# Allegro board RK3588S_Template_LP4XD556P164SD10H2_33X33_2133MHz_H1R0_V10_20220315YWQ.brd (continued)
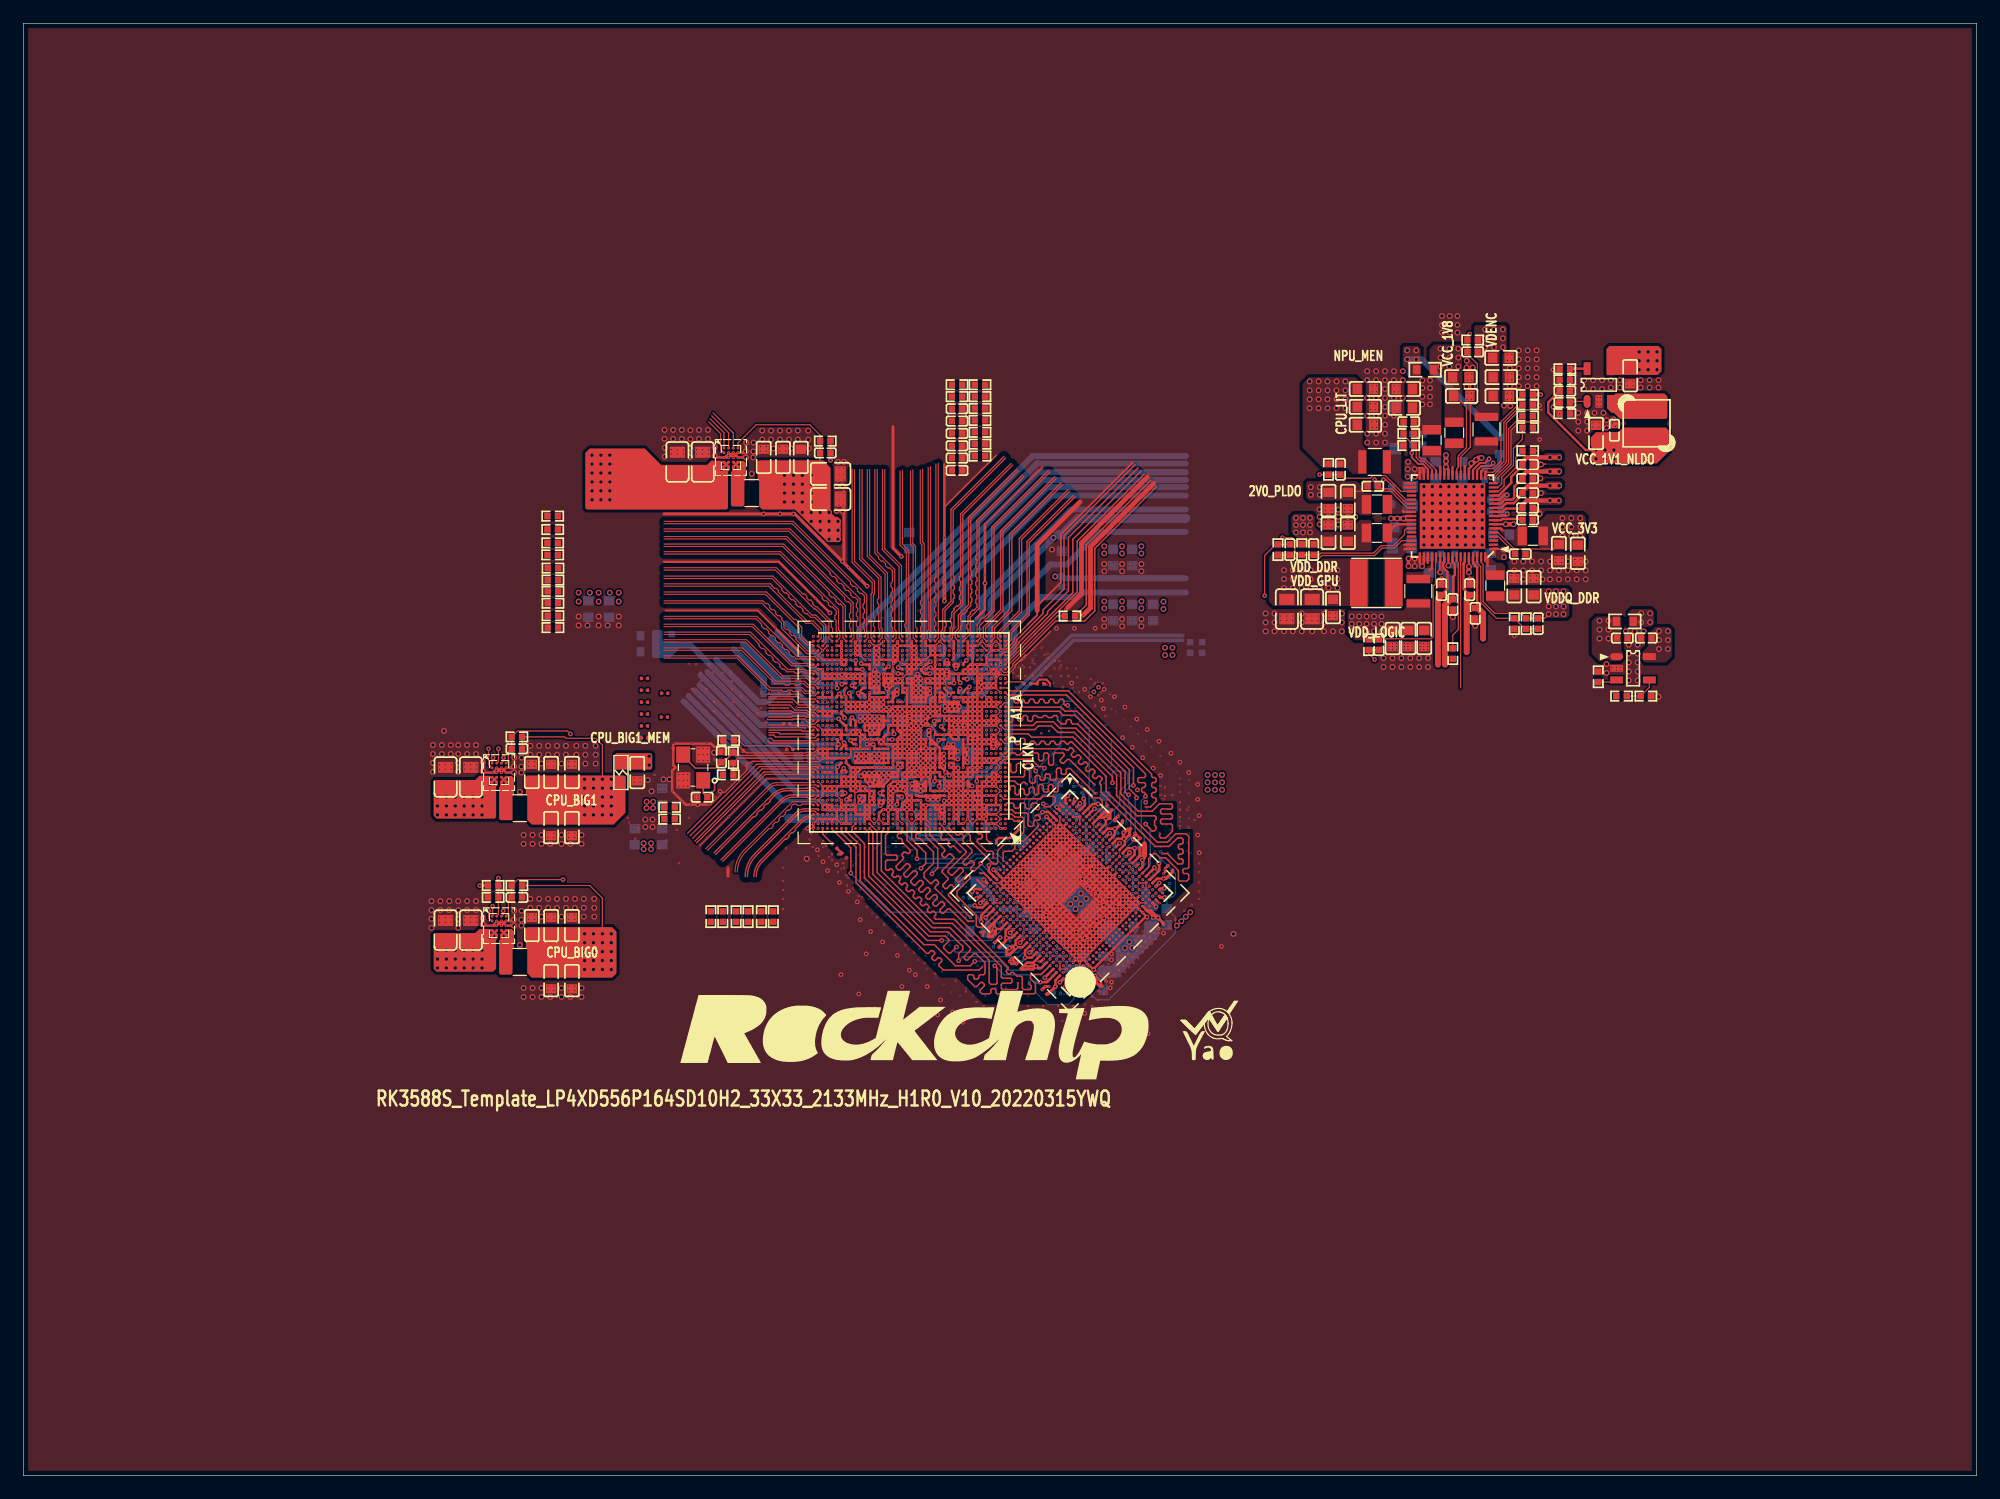
[diagram p0: board, top side]
## Routing (per net, layer and track width the routed paths; a pad name or vN(x,y) marks a point on that pad's centre or on a via; arc(x,y) is an arc through that point) (continued)
; v1(79.89,64.9) v1(79.89,64.5) ; v1(79.89,64.9) v1(80.29,64.9) ; v1(79.89,64.9) v1(79.49,64.9) ; v1(79.89,64.5) 79.89,64.28 v4(80.01,64.16) ; v1(79.89,64.5) v1(80.29,64.5) ; v1(79.89,64.5) v1(79.49,64.5) ; v7(71.09,70.5) v7(71.09,70.1) v1(71.49,70.1) v7(71.49,70.5) ; v7(71.09,70.5) v7(71.49,70.5) ; v7(70.29,56.9) 70.29,56.48 v1(70.29,56.48) 70.29,56.1 v7(70.29,56.1) v7(70.29,55.7) ; v7(70.29,56.9) v1(70.69,56.9) v1(71.09,56.9) ; v7(70.29,56.9) 69.93,56.9 ; v7(70.29,56.9) v1(70.29,57.3) ; v7(81.09,62.5) v7(80.69,62.5) 80.69,63.22 ; v7(81.09,62.5) v1(81.09,61.7) ; v7(81.09,62.5) v1(81.49,62.5) ; v7(68.29,66.5) v7(68.29,66.9) ; v7(68.29,66.5) v7(68.69,66.5) v7(69.09,66.5) v1(69.09,66.9) ; v7(68.29,66.5) v7(67.89,66.5) ; v7(68.69,61.7) v7(68.69,61.3) ; v7(68.69,61.7) v7(68.29,61.7) ; v7(68.69,61.7) v7(68.69,62.1) ; v7(68.69,61.3) v7(69.09,61.3) v7(69.49,61.3) v1(69.89,61.3) v1(70.29,61.3) v1(70.29,60.9) U1000.P34 ; v7(68.69,61.3) v7(68.29,61.3) v7(68.29,61.7) ; v1(79.49,63.3) v1(79.49,63.7) ; v1(79.49,63.3) v1(79.89,63.3) ; v1(79.49,63.3) 79.07,63.3 ; v1(79.49,63.7) 79.49,63.7 v1(79.13,63.7) ; v1(79.49,63.7) v1(79.89,63.7) ; v1(79.49,63.7) 79.49,64.27 ; v1(78.69,59.3) v1(78.69,58.9) ; v1(78.69,59.3) v1(79.09,59.3) ; v1(78.69,58.9) v1(79.09,58.9) ; v1(78.69,58.9) v1(78.69,58.5) ; 76.69,64.07 76.72,64.1 v1(77.09,64.1) ; 76.69,64.07 v4(76.66,64.03) ; 76.69,64.07 v7(76.69,64.5) ; 83.07,59.7 v7(83.49,59.7) ; 83.07,59.7 v7(83.06,59.69) ; v7(90.54,44.69) v7(90.26,44.41) ; v7(90.54,44.69) v1(90.82,44.41) ; v7(90.54,44.69) v1(90.26,44.98) ; v7(90.26,44.41) v7(89.97,44.13) ; v7(90.26,44.41) v7(89.97,44.69) ; v7(90.26,44.41) v7(90.54,44.13) ; v7(72.29,56.5) v7(72.29,56.1) v7(71.93,56.1) 71.89,56.06 ; v7(72.29,56.5) v7(71.89,56.5) ; v7(87.71,53.74) v7(87.99,54.03) ; v7(87.71,53.74) 93.22,48.24 ; v7(87.71,53.74) v7(87.43,53.46) ; v7(87.71,53.74) v7(87.43,54.03) ; v7(87.99,54.03) v7(88.28,54.31) ; v7(87.99,54.03) 93.39,48.63 ; v7(87.99,54.03) v7(87.71,54.31) ; v1(81.09,63.7) v1(81.49,63.7) ; v1(81.09,63.7) v1(80.69,63.7) ; v1(81.09,63.7) v1(81.09,63.3) ; v1(81.09,63.7) 81.09,64.19 ; v1(81.49,63.7) v1(81.89,63.7) ; v1(81.49,63.7) 81.49,64.18 ; v1(84.32,50.92) v7(84.03,51.2) ; v1(84.32,50.92) v1(84.6,51.2) ; v1(84.32,50.92) v1(84.6,50.63) ; v1(84.32,50.92) v7(84.03,50.63) ; v7(84.03,51.2) v1(84.32,51.48) ; v1(80.69,64.5) v1(81.09,64.5) ; v1(80.69,64.5) v1(80.69,64.9) ; v1(80.69,64.5) v1(80.29,64.5) ; v1(80.69,64.5) v1(80.69,63.7) ; v1(81.09,64.5) v1(81.89,64.5) ; v1(81.09,64.5) v1(81.09,64.9) v1(81.09,65.3) ; v1(81.09,64.5) 81.09,64.19 ; v1(80.69,58.5) v1(81.09,58.5) ; v1(80.69,58.5) v1(80.29,58.5) ; v7(77.49,62.1) v1(77.89,62.1) v7(77.89,61.7) ; v1(93.37,48.09) 93.22,48.24 ; v1(93.37,48.09) v1(93.65,47.8) ; v1(93.37,48.09) v1(93.65,48.37) ; v1(91.39,45.54) v1(91.11,45.82) ; v1(91.39,45.54) v1(91.11,45.26) ; v1(91.39,45.54) v1(91.67,45.26) ; v1(91.11,45.82) 91.01,45.92 ; v1(91.11,45.82) v1(91.39,46.11) ; v1(91.11,45.82) v1(90.82,45.54) ; v1(90.54,53.18) v7(90.82,52.9) ; v1(90.54,53.18) v1(90.82,53.46) ; v1(90.54,53.18) v1(86.01,48.65) ; v7(75.49,60.1) v7(75.49,59.7) ; v7(75.49,60.1) 75.21,60.1 75.09,59.98 v7(75.09,59.7) ; v7(75.49,60.1) 75.49,60.5 ; v7(75.49,60.1) v7(75.89,60.1) ; v7(75.49,59.7) v7(75.09,59.7) ; v7(75.49,59.7) v7(75.89,59.7) ; v7(68.29,62.1) v7(67.89,62.1) v7(67.89,61.7) v7(68.29,61.7) ; v7(68.29,62.1) v7(68.69,62.1) ; v7(68.29,62.1) v7(68.29,61.7) ; v1(79.89,63.7) 79.89,64.04 v4(80.01,64.16) ; v1(79.89,63.7) v1(79.89,63.3) ; v7(81.09,66.1) v1(81.09,65.7) ; v7(81.09,66.1) U1000.AH7 ; v7(81.09,66.1) v1(81.09,66.5) ; v1(81.09,65.7) v1(81.09,65.3) ; v1(81.09,65.7) 80.7,65.7 v1(80.69,65.71) ; v1(81.09,65.7) v1(81.49,65.7) ; v7(88.84,45.82) v7(93.37,50.35) ; v7(88.84,45.82) v7(88.56,46.11) ; v7(88.84,45.82) v7(89.13,45.54) ; v7(77.49,70.5) v7(77.89,70.5) ; v7(77.49,70.5) 77.49,70.1 v1(77.89,70.1) ; v7(77.49,70.5) v7(77.49,70.9) ; v7(77.89,70.5) v7(77.89,70.9) v7(77.49,70.9) ; v7(77.89,70.5) v1(77.89,70.1) ; 75.49,60.88 75.49,60.5 ; 75.49,60.88 v1(75.49,61.3) ; v1(93.65,47.8) v1(93.93,47.52) ; v1(93.65,47.8) v1(93.93,48.09) ; v1(93.65,47.8) v1(93.37,47.52) ; v1(93.93,47.52) v1(93.65,47.24) ; v1(93.93,47.52) v1(94.22,47.8) ; v1(76.29,63.7) v4(76.29,63.3) ; v1(76.29,63.7) 76.26,63.74 v4(76.26,64.05) ; v4(76.29,63.3) v4(75.89,63.3) ; v4(76.29,63.3) v4(76.29,62.9) ; v1(70.29,65.7) v1(70.69,65.7) ; v1(70.29,65.7) v7(70.29,66.1) ; v7(69.04,56.1) v1(68.69,56.1) v7(68.28,56.1) ; v7(69.04,56.1) v7(69.49,56.1) ; v7(69.04,56.1) 69.09,56.05 v1(69.09,55.7) ; v7(86.86,47.8) v7(86.58,47.52) ; v7(86.86,47.8) 86.94,47.88 ; v7(86.86,47.8) v1(86.58,48.09) ; v1(79.89,60.1) v1(80.34,60.1) ; v1(79.89,60.1) 79.89,60.42 v4(79.86,60.45) 79.81,60.5 v1(79.49,60.5) ; v1(79.89,60.1) v1(79.49,60.1) ; v1(79.89,60.1) v1(79.89,59.3) ; v1(80.34,60.1) U1000.N9 ; v1(88.56,54.59) v7(88.28,54.31) ; v1(88.56,54.59) v1(88.28,54.88) ; v7(88.28,54.31) 88.55,54.03 88.59,54.03 ; v7(88.28,54.31) v7(87.99,54.59) ; v4(76.66,60.86) 77.04,60.86 v4(77.06,60.88) ; v4(76.66,60.86) v4(76.66,61.26) ; v4(76.66,60.86) 76.66,60.53 v7(76.69,60.5) ; v7(75.09,62.5) v1(74.69,62.5) ; v7(75.09,62.5) v7(75.09,62.9) ; v7(75.09,62.5) v7(75.09,62.1) ; v7(89.97,44.13) v7(90.26,43.84) v7(90.54,44.13) ; v7(89.97,44.13) v1(89.69,43.84) ; v7(89.97,44.13) v7(89.69,44.41) ; v1(91.95,46.67) 90.46,48.16 ; v1(91.95,46.67) v1(92.24,46.39) ; v1(91.95,46.67) v1(91.67,46.39) ; v1(91.95,46.67) v1(92.24,46.96) ; v7(83.06,59.69) 83.06,59.33 v1(83.09,59.3) 83.09,58.9 U1000.K3 ; 71.45,66.1 71.49,66.06 71.49,65.8 ; 71.45,66.1 v7(71.09,66.1) 71.07,66.1 ; 71.45,66.1 71.96,66.1 ; 81.09,61.26 v1(81.09,61.7) ; v1(81.09,61.7) v1(81.49,61.7) ; 71.89,56.06 v7(71.89,56.5) ; 71.89,56.06 v7(71.89,55.7) ; v1(74.29,57.7) 73.92,57.7 v1(73.89,57.67) v7(73.89,57.33) ; v1(74.29,57.7) 74.22,57.63 v1(74.22,57.33) ; v1(74.29,57.7) v1(74.29,58.1) ; 88.37,55.35 v7(88.28,55.44) ; 88.37,55.35 v7(88.28,55.44) ; v7(88.28,55.44) v7(88.56,55.72) v7(88.84,55.44) ; v7(88.28,55.44) v7(87.99,55.16) ; v7(88.28,55.44) v7(87.99,55.72) v1(87.71,56.01) v4(87.42,56.3) ; U1000.C24 v7(74.69,56.52) 74.69,56.84 ; U1000.AE22 75.49,65.25 75.49,65.25 ; U1000.AE22 U1000.AD22 ; U1000.AE22 v7(75.09,64.9) ; v7(69.89,69.7) v1(69.6,69.7) v7(69.09,69.7) v7(68.69,69.7) v7(68.29,69.7) ; v7(69.89,69.7) v1(69.89,70.1) v7(69.89,70.5) v7(69.89,70.9) ; v7(69.89,69.7) v1(69.89,69.3) v7(70.29,69.3) v1(70.29,69.7) v7(69.89,69.7) ; v7(89.97,53.74) v7(90.26,54.03) ; v7(89.97,53.74) v7(89.69,54.03) ; v7(74.29,70.1) v1(74.29,69.7) ; v4(77.06,60.88) 77.09,60.86 v7(77.09,60.5) ; v1(71.49,62.1) v1(72.29,62.1) ; v1(71.49,62.1) v1(71.09,62.1) v7(70.72,62.1) U1000.V34 ; v1(77.89,66.1) v1(77.89,66.5) ; v1(77.89,66.1) v1(77.49,66.1) ; v1(77.89,66.1) v1(77.89,65.7) ; v1(77.89,66.5) 77.7,66.5 77.62,66.42 v1(77.49,66.42) v1(77.49,66.1) ; v1(77.89,66.5) U1000.AK16 v7(77.89,67.3) ; 69.93,63.3 69.89,63.33 ; 69.93,63.3 v1(69.49,63.3) ; 69.89,63.33 v7(69.89,63.7) v1(69.49,63.7) ; 69.89,63.33 69.89,62.95 v1(69.89,62.95) ; 76.29,61.67 v7(76.29,61.65) v1(76.29,61.3) ; 76.29,61.67 U1000.U20 ; v7(93.93,50.35) v7(93.65,50.63) ; v7(93.93,50.35) v7(93.65,50.07) ; v7(91.39,52.33) v7(91.67,52.61) ; v7(91.39,52.33) 86.94,47.88 ; v7(91.39,52.33) v7(91.67,52.05) ; v7(91.39,52.33) 91.31,52.25 v4(91.31,51.82) 91.44,51.82 ; v7(91.67,52.61) v7(91.95,52.33) ; v7(91.67,52.61) v1(91.39,52.9) ; v4(93.93,49.22) v1(94.22,49.5) ; v4(93.93,49.22) v1(94.22,48.94) ; v4(93.93,49.22) v1(94.22,49.5) ; v4(93.93,49.22) v1(94.22,48.94) ; v1(81.89,68.1) v1(81.49,68.1) ; v1(81.89,68.1) v1(81.89,66.9) v1(81.49,66.9) ; v1(93.93,48.09) v1(94.22,47.8) ; v1(93.93,48.09) v1(94.22,48.37) ; v1(93.93,48.09) v1(93.65,48.37) ; v1(94.22,47.8) v1(94.5,48.09) ; v1(73.09,66.1) v1(73.09,66.5) ; v1(73.09,66.1) 73.42,66.1 v4(73.46,66.07) 73.51,66.01 v4(73.51,65.66) ; v1(73.09,66.1) U1000.AH29 ; v1(76.69,62.5) U1000.V19 ; v1(76.69,62.5) v7(76.69,62.9) ; v1(76.69,62.5) v4(76.29,62.5) ; v1(76.69,62.5) v1(77.09,62.5) ; U1000.V19 76.69,61.71 v4(76.66,61.67) v4(76.66,61.26) ; v1(87.71,46.39) v7(87.99,46.67) ; v1(87.71,46.39) v7(87.43,46.67) ; v1(87.71,46.39) v7(87.99,46.11) ; v7(87.99,46.67) 89.39,48.07 ; v7(87.99,46.67) v7(88.28,46.39) ; v7(87.99,46.67) v1(87.71,46.96) ; v7(89.41,44.69) v7(89.69,44.41) ; v1(82.06,46.43) v1(81.73,46.43) ; 93.39,48.63 v1(93.65,48.37) ; v1(79.09,64.9) v1(79.09,64.5) ; v1(79.09,64.9) v1(79.49,64.9) ; v1(82.29,67.7) U1000.AM4 v7(82.69,67.3) ; v1(82.29,67.7) v1(82.29,67.3) ; v1(92.24,46.96) v1(92.52,46.67) ; v1(92.24,46.96) v1(91.31,47.88) 90.75,48.45 ; v1(92.52,46.67) v1(92.8,46.39) ; v1(92.52,46.67) v1(92.8,46.96) ; v1(92.52,46.67) v1(92.24,46.39) ; v1(91.39,44.98) v1(91.11,45.26) ; v1(91.39,44.98) v1(91.67,45.26) ; v7(77.49,70.9) v1(77.09,70.9) v1(77.09,71.3) ; v1(74.29,56.9) 73.92,56.9 v4(73.89,56.87) 73.86,56.9 v1(73.49,56.9) 73.41,56.9 v7(73.09,56.58) v7(73.09,56.1) ; v1(74.29,56.9) 74.75,56.9 ; v1(74.29,56.9) 74.22,56.97 v1(74.22,57.33) ; v7(85.45,52.61) v7(85.17,52.33) ; v7(85.45,52.61) v7(85.73,52.33) ; v7(85.17,52.33) v7(84.88,52.05) ; v7(85.17,52.33) v7(85.45,52.05) ; v1(94.22,49.5) v7(94.5,49.22) ; v1(94.22,49.5) v7(94.5,49.22) ; v1(94.22,49.5) v7(94.5,49.78) ; v7(75.49,63.7) v7(75.49,64.1) ; v7(84.86,43.72) 84.45,44.13 ; v7(84.86,43.72) 84.96,43.82 v7(84.96,44.07) 84.84,44.2 84.52,44.2 84.45,44.13 ; v7(84.86,43.72) 84.45,43.72 v1(84.23,43.94) 84.23,43.96 v7(84.4,44.13) 84.45,44.13 ; v7(81.89,64.1) v1(81.89,63.7) ; v7(81.89,64.1) v1(82.29,64.1) ; v7(81.89,64.1) v1(81.89,64.5) ; v7(81.89,64.1) 81.52,64.1 v4(81.46,64.15) ; 70.02,68.5 v4(69.95,68.43) 69.93,68.4 v1(69.93,68.12) ; 70.02,68.5 v7(70.29,68.5) ; v1(84.6,51.2) v1(84.88,50.92) ; v1(84.6,51.2) v1(84.32,51.48) ; v1(80.69,66.5) v1(81.09,66.5) ; v1(80.69,66.5) v1(80.29,66.5) ; v1(77.89,68.5) v1(77.89,68.9) ; v1(77.89,68.5) v1(77.89,67.7) ; v1(77.89,68.9) v1(77.89,69.3) v7(77.89,69.7) v1(77.89,70.1) ; v1(77.89,68.9) 77.64,68.9 v4(77.5,69.04) 77.32,69.04 77.18,68.9 v1(77.09,68.9) ; v1(75.09,67.3) v1(75.09,67.7) ; v7(84.88,52.05) v7(85.17,51.76) ; v1(76.71,60.12) 76.71,59.72 v7(76.69,59.7) ; v1(76.71,60.12) 76.69,60.14 v7(76.69,60.5) ; v1(76.71,60.12) 76.63,60.05 v4(76.4,60.05) ; v7(70.69,55.7) v7(70.29,55.7) ; v7(70.29,55.7) v1(69.89,55.7) ; v7(94.5,49.22) v7(94.78,48.94) ; v7(94.5,49.22) v1(94.22,48.94) ; v7(94.5,49.22) v7(94.78,49.5) ; v7(86.01,52.05) v7(85.73,52.33) ; v7(86.01,52.05) v7(86.3,52.33) ; v7(86.01,52.05) v7(85.73,51.76) ; v7(85.73,52.33) v7(86.01,52.61) ; v7(85.73,52.33) v7(85.45,52.05) ; v1(81.86,66.1) 81.89,66.07 v1(81.89,65.7) ; v1(81.86,66.1) U1000.AH7 ; v1(79.89,63.3) v1(79.89,62.9) 79.47,62.9 79.07,63.3 ; v1(79.89,63.3) v1(80.29,63.3) ; v1(80.69,63.7) v1(80.69,63.3) ; 85.17,50.63 v1(84.88,50.92) ; 85.17,50.63 v1(85.19,50.63) ; U1000.N9 v1(81.49,60.1) v1(81.49,60.5) ; U1000.N9 v1(80.69,59.7) ; U1000.N9 v7(80.69,60.5) v1(81.09,60.5) ; v1(76.29,61.3) v1(75.89,61.3) ; v1(76.29,61.3) 76.62,61.3 v4(76.66,61.26) ; v7(70.29,66.1) v7(70.29,66.5) ; v7(70.29,66.1) v1(69.89,66.1) ; v7(70.29,66.1) v7(70.69,66.1) ; 74.75,56.9 v1(75.09,56.9) ; 74.75,56.9 74.69,56.84 ; v1(75.09,56.9) v1(75.09,57.3) ; v1(75.09,56.9) v1(75.89,56.9) v1(75.89,57.3) ; v1(85.73,48.37) v1(86.01,48.65) ; v1(85.73,48.37) v7(86.01,48.09) ; v1(85.73,48.37) v1(85.45,48.09) ; v1(85.73,48.37) v7(85.45,48.65) ; v1(86.01,48.65) U3700.AC12 ; U1000.AH29 v1(72.69,66.13) v1(72.69,66.5) ; U1000.AH29 71.96,66.1 ; v1(94.22,48.37) v1(93.93,48.65) ; v1(94.22,48.37) v1(94.5,48.09) ; v1(94.22,48.37) v7(94.5,48.65) ; v1(93.93,48.65) v1(94.22,48.94) ; v1(93.93,48.65) v1(93.65,48.37) ; v4(72.38,57.88) 72.6,58.1 v1(72.69,58.1) ; v4(72.38,57.88) 72.29,57.79 72.29,57.3 ; v4(72.38,57.88) 72.29,57.96 v1(72.29,58.5) ; v4(72.38,57.88) 72.55,57.7 v1(72.69,57.7) ; v7(86.3,52.33) v7(86.58,52.61) ; v7(86.3,52.33) v7(86.01,52.61) ; v7(86.3,52.33) 89.09,49.54 ; v1(86.3,47.8) v1(86.58,48.09) ; v1(86.3,47.8) v7(86.58,47.52) ; v1(86.3,47.8) v1(86.01,47.52) ; v1(86.3,47.8) v7(86.01,48.09) ; v1(86.58,48.09) U3700.AC12 ; v7(72.69,69.7) v1(73.09,69.7) ; v7(72.69,69.7) v1(72.69,69.3) 72.73,69.27 v1(73.1,69.27) 73.1,69.69 v1(73.09,69.7) ; v7(72.69,69.7) v7(72.69,70.1) ; v1(73.09,69.7) 73.09,70.21 ; v1(73.09,69.7) v1(74.29,69.7) ; v1(74.69,63.7) v7(74.69,64.1) ; 73.86,68.5 73.89,68.47 73.89,67.13 ; 73.86,68.5 v1(74.29,68.5) ; v1(74.69,62.5) v1(74.69,62.9) ; v1(74.69,62.9) v7(75.09,62.9) ; v7(70.29,68.5) v7(70.69,68.5) ; v7(70.29,68.5) v1(70.29,68.1) ; v7(70.69,68.5) v1(70.69,68.1) ; v7(70.69,68.5) v7(71.09,68.5) ; v7(91.95,52.33) v7(91.67,52.05) ; v7(91.95,52.33) v7(92.24,52.05) ; v7(90.54,44.13) v1(90.82,44.41) ; v7(90.54,44.13) v7(90.82,43.84) v7(91.11,43.56) v4(91.45,43.22) 91.45,43.32 v1(92.33,44.2) v1(93.34,45.21) v1(93.73,45.59) v1(94.11,45.97) v1(94.49,46.36) v1(94.87,46.74) 95.85,47.72 v4(96,47.72) v7(95.63,48.09) v7(95.35,48.37) v7(95.06,48.65) ; v1(75.49,58.1) v1(75.49,58.5) ; v1(75.49,58.1) v1(75.49,57.7) ; v1(79.89,56.5) v7(79.49,56.5) ; v1(79.89,56.5) 79.89,56.89 v7(79.88,56.9) ; v1(81.49,61.7) v7(81.49,62.1) ; v1(81.49,61.7) v1(81.89,61.7) ; v7(81.49,62.1) v1(81.49,62.5) ; v7(81.49,62.1) v1(81.89,62.1) ; v7(81.49,62.1) v1(81.09,62.1) ; 74.57,68.1 v1(75.09,68.1) v1(75.09,67.7) ; 74.57,68.1 74.6,68.07 74.68,68.07 v4(74.73,68.02) ; v1(75.49,61.3) 75.49,61.3 v4(75.49,62.08) ; v1(75.49,61.3) v1(75.89,61.3) ; v4(73.51,65.66) 73.53,65.63 v4(73.96,65.63) ; v1(81.49,66.9) v7(81.15,66.9) 81.09,66.84 v1(81.09,66.5) ; v1(81.49,66.9) U1000.AJ7 ; v1(69.49,56.9) 69.49,56.9 v7(69.49,56.1) ; v1(69.49,56.9) v1(69.09,56.9) ; v1(69.49,56.9) v7(69.89,56.9) 69.93,56.9 ; U1000.P34 v1(70.69,60.1) ; v1(79.13,63.7) 79.09,63.73 79.09,64.06 ; v1(79.13,63.7) 79.13,63.36 79.07,63.3 ; v1(90.82,53.46) v1(91.11,53.74) ; v1(90.82,53.46) v7(91.11,53.18) ; v1(70.69,60.1) v1(70.69,59.7) ; v1(70.69,59.7) v1(70.29,59.7) ; v1(70.69,59.7) v1(71.09,59.7) ; v1(72.69,57.7) v1(72.69,57.3) 72.29,57.3 ; v1(72.69,57.7) v1(72.69,58.1) ; v7(85.45,52.05) v7(85.73,51.76) ; v7(85.45,52.05) v7(85.17,51.76) ; v7(77.89,67.3) v1(77.89,67.7) ; 76.43,59.72 v7(76.41,59.7) v7(75.89,59.7) ; 76.43,59.72 76.68,59.72 v7(76.69,59.7) ; 76.43,59.72 76.4,59.74 v4(76.4,60.05) ; v1(70.29,57.3) v1(70.69,57.3) v1(71.09,57.3) v1(71.09,56.9) ; v1(70.29,57.3) v1(69.89,57.3) ; v1(73.49,62.9) 73.49,63.1 73.7,63.3 v1(73.89,63.3) v7(73.89,64.1) v7(74.29,64.1) ; v7(74.69,56.9) 74.69,56.84 ; 81.89,59.31 81.89,57.7 v1(81.89,57.7) ; v1(77.49,64.1) 77.43,64.1 ; 77.43,64.1 v4(77.06,64.47) ; 77.43,64.1 v1(77.09,64.1) ; v1(80.29,66.5) v1(79.89,66.5) v1(79.49,66.5) ; v7(71.89,65.3) v1(71.49,65.3) ; v7(71.89,65.3) v7(72.29,65.3) ; v7(74.29,64.1) v7(74.29,64.5) ; v7(74.29,64.1) v7(74.69,64.1) ; v7(74.29,64.5) v1(74.29,64.9) ; v7(74.29,64.5) v7(74.69,64.5) ; v7(69.49,56.1) U1000.C37 ; v7(92.8,52.05) v7(92.52,51.76) ; v7(92.52,51.76) v1(92.8,51.48) ; v7(92.52,51.76) v7(92.24,52.05) ; v7(92.52,51.76) v1(92.24,51.48) ; 78.69,56.64 v1(78.69,57.3) ; 78.69,56.64 v7(78.69,56.5) ; v1(95.35,49.5) v7(95.06,49.22) ; v7(95.06,49.22) v7(95.35,48.94) v7(95.06,48.65) ; v7(95.06,49.22) v7(94.78,48.94) ; v7(95.06,49.22) v7(94.78,49.5) ; v1(73.49,66.5) v1(73.89,66.5) v1(73.89,66.9) 73.89,67.13 ; v1(73.49,66.5) v1(73.09,66.5) ; 74.29,58.44 v1(74.29,58.1) ; 74.29,58.44 v1(74.29,58.9) ; 74.29,58.44 v4(74.32,58.47) 74.35,58.5 ; v1(74.29,58.1) 73.9,58.1 v7(73.89,58.09) ; v1(79.09,58.9) v1(79.49,58.9) v1(79.89,58.9) ; v1(79.09,58.9) v1(79.09,59.3) ; v1(79.09,58.9) 79.09,58.58 v4(79.13,58.54) ; v7(94.5,49.78) v7(94.78,49.5) ; v4(80.01,64.16) v4(79.6,64.16) ; v4(80.01,64.16) 80.37,64.16 ; v7(78.69,56.1) v7(78.29,56.1) v1(78.29,56.5) ; v7(78.69,56.1) v7(78.69,55.7) ; v7(78.69,56.1) v7(78.69,56.5) ; v7(87.15,53.74) v7(87.43,53.46) ; v7(87.15,53.74) v7(87.43,54.03) ; v7(87.15,53.74) v7(86.86,53.46) ; v7(87.43,47.24) 88.82,48.63 ; v7(87.43,47.24) v7(87.15,46.96) ; v7(87.43,47.24) v1(87.71,46.96) ; v7(76.29,70.1) v7(76.29,70.5) ; v7(76.29,70.1) v7(75.89,70.1) ; v7(82.69,67.3) v7(83.09,67.3) v7(83.09,67.69) 83.09,67.74 ; v7(82.69,67.3) v1(82.29,67.3) ; v1(77.09,64.1) 77.06,64.13 v4(77.06,64.47) ; v1(81.49,68.1) v1(81.49,68.5) ; v4(79.6,64.16) 79.49,64.27 ; v4(79.6,64.16) 79.5,64.06 79.09,64.06 ; 79.49,64.27 v1(79.49,64.5) ; v1(87.71,54.88) v7(87.99,54.59) ; v1(87.71,54.88) v7(87.43,54.59) ; v1(87.71,54.88) v7(87.99,55.16) ; v7(87.99,54.59) v1(88.28,54.88) ; v7(87.99,54.59) v7(87.71,54.31) ; v1(82.29,62.9) v1(81.89,62.9) ; v1(82.29,62.9) v1(82.29,62.5) ; v1(82.29,62.9) v7(82.69,62.9) ; v1(81.89,62.9) v1(81.89,61.7) ; v7(82.29,70.9) v7(82.69,70.9) v1(82.69,70.5) v1(83.09,70.5) 83.1,70.51 v7(83.49,70.51) v7(83.49,70.9) ; v1(70.29,68.1) v1(70.69,68.1) ; v1(70.69,68.1) v1(71.09,68.1) ; U1000.AJ7 U1000.AH7 ; U1000.AJ7 v1(81.09,66.5) ; U1000.AH7 v1(81.49,65.7) ; v7(88.56,46.11) v7(93.08,50.63) ; v7(88.56,46.11) v7(88.28,46.39) ; v7(93.08,50.63) v7(93.37,50.35) ; v7(93.08,50.63) v7(92.8,50.92) ; v7(93.08,50.63) v7(93.37,50.92) ; 79.09,64.06 v1(79.09,64.5) ; v7(76.69,56.5) 76.37,56.5 76.29,56.42 v1(76.29,56.1) v7(76.69,56.1) ; v7(76.69,56.5) v7(76.69,56.9) ; v7(76.69,56.5) v7(76.69,56.1) ; v7(76.69,56.5) v7(77.09,56.5) ; v1(69.89,59.3) v1(69.89,59.7) v1(70.29,59.7) ; v7(77.09,60.5) v7(76.69,60.5) ; v7(77.09,60.5) v7(77.49,60.5) ; v7(84.03,50.63) v7(83.75,50.35) ; v1(79.49,60.5) v1(79.09,60.5) v1(79.09,60.9) v1(79.49,60.9) v1(79.49,60.5) ; v1(77.09,62.5) v7(77.09,62.9) v7(76.69,62.9) ; v7(77.49,60.5) v1(77.49,60.1) ; v1(71.09,58.9) v1(71.49,58.9) ; v1(71.09,58.9) v1(71.09,59.3) ; v1(71.49,58.9) v1(71.49,59.3) v1(71.09,59.3) ; v1(70.69,65.7) 70.69,66.1 v7(70.69,66.1) ; v1(70.69,65.7) v1(71.09,65.7) ; v1(77.49,67.7) v7(77.09,67.7) v7(77.09,68.1) v1(77.49,68.1) ; v1(77.49,67.7) v1(77.49,68.1) ; v1(77.49,67.7) v1(77.89,67.7) ; v7(82.3,56.9) 80.29,56.9 v1(80.29,56.9) ; v1(74.29,61.3) v7(74.29,60.9) v1(74.29,60.5) v1(73.89,60.5) v1(73.49,60.5) v1(73.09,60.5) v1(72.69,60.5) v1(72.29,60.5) v7(71.89,60.5) v1(71.49,60.5) ; 75.49,60.5 v7(75.49,60.5) v7(76.69,60.5) ; v7(73.09,70.5) v7(73.09,70.9) v7(72.69,70.9) v7(72.69,70.5) ; v7(73.09,70.5) 73.09,70.21 ; v7(73.09,70.5) v7(72.69,70.5) ; v1(69.09,56.9) v7(69.09,57.3) v7(68.69,57.3) ; v1(88.28,54.88) v7(87.99,55.16) ; v1(88.28,54.88) v1(88.56,55.16) v7(88.84,55.44) ; 88.59,54.03 v7(88.4,53.85) 85.73,51.18 ; v7(90.26,54.03) v7(89.97,54.31) ; v7(68.29,55.7) 68.29,56.08 v7(68.28,56.1) ; v7(74.69,64.5) v1(74.69,64.9) ; v7(74.69,64.5) v7(74.69,64.1) ; v7(74.69,64.5) v7(75.09,64.5) ; v1(74.69,64.9) v7(75.09,64.9) ; v1(74.69,64.9) v1(74.29,64.9) ; 91.44,51.82 89.09,49.47 ; 91.44,51.82 v7(91.67,52.05) ; v7(68.69,63.7) v7(69.09,63.7) ; v7(68.69,63.7) v7(68.29,63.7) v7(68.29,63.3) v7(68.69,63.3) ; v7(68.69,63.7) v7(68.69,63.3) ; v7(69.09,63.7) v1(69.49,63.7) ; v7(69.09,63.7) v7(69.09,63.3) ; v1(81.09,63.3) 81.09,63.23 ; v1(81.09,63.3) v1(80.69,63.3) ; v4(85.43,50.88) 85.43,50.94 v7(85.17,51.2) ; v4(85.43,50.88) 85.19,50.65 v1(85.19,50.63) ; v4(85.43,50.88) 85.44,50.88 ; v7(79.49,56.9) 79.5,56.9 v7(79.88,56.9) ; v7(75.49,64.1) U1000.AD22 ; v7(75.49,64.1) 75.8,64.1 v4(75.85,64.05) ; v7(79.88,56.9) v7(79.88,57.28) ; v7(79.88,56.9) 79.89,56.9 v1(80.29,56.9) ; v7(85.17,51.2) v7(85.45,51.48) ; v7(85.17,51.2) v1(84.88,50.92) ; v7(85.45,51.48) v7(85.73,51.76) ; v7(85.45,51.48) v7(85.17,51.76) ; v7(85.45,51.48) 85.73,51.2 85.73,51.18 ; v7(92.8,50.92) v7(93.08,51.2) ; v7(92.8,50.92) 91.42,49.53 ; 91.01,45.92 85.75,51.18 85.73,51.18 ; v4(79.1,57.66) v4(78.66,57.66) 78.69,57.63 v1(78.69,57.3) ; v4(79.1,57.66) 79.1,57.3 v1(79.09,57.3) ; v4(79.1,57.66) 79.45,57.66 v7(79.49,57.7) v1(79.88,57.7) ; v4(79.1,57.66) v1(79.1,58.09) ; v4(78.21,65.22) 78.29,65.3 v1(78.29,65.7) v1(77.89,65.7) ; v4(78.21,65.22) 78.29,65.14 v1(78.29,64.9) ; v1(79.89,59.3) v1(79.49,59.3) v1(79.09,59.3) ; v1(79.89,59.3) v1(79.89,58.9) ; v1(79.89,59.3) v1(80.29,59.3) ; v1(81.49,68.5) v1(81.09,68.5) ; v1(81.49,68.5) 81.49,68.88 ; v1(80.29,58.9) v1(80.29,59.3) ; v1(80.29,58.9) v1(79.89,58.9) ; v1(80.29,58.9) v1(80.29,58.5) ; v7(90.82,52.9) v7(86.31,48.38) ; v7(90.82,52.9) v7(91.11,53.18) ; v1(91.39,46.11) v7(85.73,51.76) ; v1(91.39,46.11) v1(91.67,46.39) ; 85.73,51.18 85.44,50.88 ; v4(77.06,64.87) v4(77.06,64.47) ; v4(77.06,64.87) 77.04,64.9 U1000.AE19 ; v1(78.69,58.5) v1(78.29,58.5) v1(77.89,58.5) v7(77.52,58.5) 77.49,58.52 v1(77.49,58.9) 77.49,59.16 77.44,59.22 77.44,59.5 77.49,59.56 v7(77.49,59.7) ; v1(78.69,58.5) 79.09,58.5 79.1,58.51 ; v4(130.68,91.31) 131.06,91.69 C2329.2 ; v1(82.69,67.69) 83.04,67.69 83.09,67.74 ; v7(86.58,52.61) v1(89.53,49.66) ; v7(86.58,52.61) v7(86.86,52.9) ; v7(86.58,52.61) v7(86.3,52.9) ; v7(82.3,61.3) v7(82.3,60.9) ; v7(69.49,65.3) v7(69.09,65.3) ; v7(69.09,65.3) v7(69.09,64.9) v7(68.69,64.9) ; v7(69.09,65.3) v7(68.69,65.3) ; v7(92.52,54.59) v4(92.81,54.89) ; v1(91.67,45.26) v1(91.95,45.54) ; v1(91.95,45.54) v1(92.24,45.82) ; v7(76.69,60.5) 76.64,60.45 v4(76.3,60.45) ; v7(75.09,64.9) v7(75.09,64.5) ; v7(75.09,64.9) 75.08,64.91 v4(75.08,65.25) ; v4(76.4,60.05) 76.35,60.1 ; v4(75.49,62.08) 75.47,62.1 v7(75.09,62.1) ; v4(75.49,62.08) v4(75.9,62.08) ; v7(83.89,55.3) v7(83.49,55.3) ; v1(81.89,64.5) v1(82.29,64.5) ; v1(81.89,64.5) v7(81.89,64.9) ; v1(80.69,64.9) v1(81.49,64.9) ; v1(80.69,64.9) v1(80.29,64.9) ; v7(93.65,50.07) v7(89.13,45.54) ; v7(93.65,50.07) v7(93.37,50.35) ; v1(91.11,45.26) v1(90.82,45.54) ; v7(79.88,57.28) 79.86,57.3 v7(79.5,57.3) 79.5,57.3 v1(79.09,57.3) ; v7(79.88,57.28) v1(79.88,57.7) ; v7(86.3,52.9) v7(86.01,52.61) ; v7(86.3,52.9) v7(86.58,53.18) ; 54.74,78.07 64.55,78.07 v7(67.69,74.93) v4(68.91,73.71) ; v7(76.69,56.9) v1(76.69,57.3) ; v7(77.09,56.5) v7(77.09,56.1) v7(76.69,56.1) ; v1(80.69,57.3) v1(81.09,57.3) ; v1(80.69,57.3) v1(80.69,56.9) v7(80.69,56.5) v1(80.69,56.1) ; v1(77.89,70.1) v7(78.29,70.1) v1(78.69,70.1) v7(78.69,70.5) v7(78.69,70.9) ; v4(76.66,64.03) 76.64,64.05 v4(76.26,64.05) ; v1(81.89,57.7) v1(81.89,56.1) ; v7(68.29,58.5) v7(68.29,58.9) v7(68.69,58.9) ; v7(68.29,58.5) v1(68.29,58.1) ; v1(81.89,61.7) v7(81.89,61.3) v7(81.89,60.9) v1(81.89,60.5) v1(81.49,60.5) ; v7(68.28,56.1) v1(67.89,56.1) ; v7(83.09,62.91) U1000.Y3 v7(83.09,62.1) 82.7,62.1 v7(82.69,62.09) v7(82.69,62.9) ; v7(83.09,62.91) 83.09,62.9 v7(82.69,62.9) ; v7(83.09,62.91) v1(83.09,63.3) 82.69,63.3 v7(82.69,63.24) v7(82.69,62.9) ; v4(72.26,65.66) v4(72.26,66.07) ; v1(75.89,69.3) v1(75.89,68.9) ; v1(75.89,69.3) v7(75.49,69.3) ; v1(75.89,68.9) v1(75.49,68.9) ; v1(75.89,68.9) v1(75.89,68.5) v1(75.49,68.5) v7(75.49,69.3) ; v1(78.69,57.3) v1(79.09,57.3) ; v1(78.69,57.3) v1(78.29,57.3) ; v7(87.43,53.46) v7(87.15,53.18) ; v1(80.69,59.7) v1(81.09,59.7) v1(81.09,60.5) ; v1(75.09,57.3) 75.51,57.3 v4(75.51,57.3) 75.52,57.3 v1(75.89,57.3) ; v1(75.09,57.3) 75.09,57.41 75.38,57.7 v1(75.49,57.7) ; v1(83.49,62.5) 82.9,62.5 82.87,62.53 82.86,62.53 82.84,62.5 v1(82.29,62.5) ; v1(81.09,57.3) v7(81.09,56.9) ; v7(89.13,55.72) v7(88.84,55.44) ; v7(88.84,55.44) v7(89.41,54.88) ; v7(69.09,58.9) U1000.K37 ; v7(69.09,58.9) v7(68.69,58.9) ; v7(89.69,54.03) v7(89.41,54.31) ; v7(89.69,54.03) v7(89.97,54.31) ; v1(90.54,45.26) 85.19,50.61 v1(85.19,50.63) ; v1(90.54,45.26) v1(90.82,45.54) ; v1(90.54,45.26) v1(90.26,44.98) ; v1(83.49,47.29) 83.52,47.29 v7(83.75,47.52) ; v7(76.69,62.9) v4(76.29,62.9) ; v1(84.88,50.92) v1(84.6,50.63) ; v1(77.49,68.1) v1(78.69,68.1) ; v1(92.8,51.48) v7(93.08,51.2) ; 75.49,65.26 v1(75.54,65.3) v1(75.89,65.3) ; 75.49,65.26 75.49,65.25 ; 75.49,65.26 v1(75.49,65.7) ; v1(75.89,65.7) v1(75.89,65.3) ; v1(75.89,65.7) v1(75.49,65.7) ; v7(72.69,70.5) v7(72.69,70.1) ; v7(72.69,70.1) 72.98,70.1 v4(73.03,70.15) 73.09,70.21 ; v7(88.28,46.39) v7(87.99,46.11) ; v7(88.28,46.39) 89.69,47.81 ; v4(79.13,58.54) 79.1,58.51 ; v4(79.13,58.54) 79.17,58.5 v1(79.49,58.5) v4(79.89,58.5) ; 79.1,58.51 v1(79.1,58.09) ; v1(94.5,48.09) v1(94.78,48.37) ; v1(75.49,58.5) U1000.J24 ; v7(86.58,47.52) v7(86.86,47.24) ; v7(82.69,64.1) 82.69,64.5 v7(82.68,64.52) ; v7(82.69,64.1) v1(82.29,64.1) ; v1(72.29,58.5) v1(72.69,58.5) v1(72.69,58.1) ; v1(72.29,58.5) v7(71.89,58.5) ; 79.07,63.3 v1(78.69,63.3) v1(78.29,63.3) v1(77.89,63.3) v1(77.89,63.7) ; 69.93,56.9 69.89,56.93 v1(69.89,57.3) ; v7(74.69,70.54) 74.69,70.94 ; v1(94.78,48.37) v7(95.06,48.65) ; v1(94.78,48.37) v7(94.5,48.65) ; v7(81.89,64.9) v1(81.89,65.7) ; v7(81.89,64.9) v1(81.49,64.9) ; v1(81.89,65.7) v1(81.49,65.7) ; v5(41.91,46.99) v1(41.24,46.99) v1(40.84,47.39) v1(40.44,46.99) v1(40.04,46.99) 39.37,46.99 v5(39.24,47.12) ; U1000.AD22 v7(75.09,64.5) ; v7(75.09,62.1) v7(75.09,61.7) ; v1(83.49,69.3) v7(83.49,69.7) U1000.AU4 ; v7(86.58,53.18) v7(86.3,53.46) ; v7(86.58,53.18) v7(86.86,52.9) ; v7(86.58,53.18) v7(86.86,53.46) ; v7(68.69,65.3) v7(68.69,64.9) ; v7(68.69,65.3) v7(68.29,65.3) ; v7(68.69,64.9) v7(68.29,64.9) v7(68.29,65.3) ; v1(82.29,64.5) 82.31,64.52 v7(82.68,64.52) ; v1(82.29,64.5) v1(82.29,64.1) ; v4(77.09,65.3) v7(76.69,65.3) ; v4(77.09,65.3) v1(77.09,65.7) ; v7(68.69,62.1) v7(69.09,62.1) ; v7(68.29,65.3) v1(68.29,65.7) ; v7(68.29,65.3) v7(67.89,65.3) ; v7(93.65,50.63) v7(93.37,50.35) ; v7(93.65,50.63) v7(93.37,50.92) ; v4(75.08,65.25) 75.09,65.26 v1(75.09,65.7) ; v4(75.08,65.25) 75.49,65.25 ; v4(75.89,63.3) v4(75.89,62.9) v4(75.89,62.5) ; v1(81.49,64.9) 81.49,64.18 ; v1(71.09,56.9) 71.09,56.54 v1(71.13,56.5) v7(71.49,56.5) v7(71.89,56.5) ; v4(76.29,62.5) v4(75.89,62.5) ; v4(76.29,62.5) v4(76.29,62.9) ; v7(86.86,52.9) v7(87.15,53.18) ; v7(86.86,52.9) 89.79,49.97 ; v7(73.89,57.33) v1(74.22,57.33) ; v7(73.89,57.33) v1(73.89,56.5) v7(73.89,56.1) v7(73.89,55.7) v7(73.49,55.7) ; v7(86.01,48.09) U3700.AC12 ; v4(79.89,58.5) v1(80.29,58.5) ; v4(79.89,58.5) v1(79.89,58.1) ; v4(79.89,58.5) v1(79.89,58.9) ; v1(69.49,63.7) v1(69.49,63.3) ; v5(39.24,60.2) 39.37,60.07 U2301.C1 v1(40.07,60.07) v1(40.44,60.07) v1(40.84,60.47) v1(41.24,60.07) v5(41.91,60.07) ; v1(81.49,62.5) v1(82.29,62.5) ; v7(69.89,70.9) v7(69.49,70.9) ; v7(69.89,70.9) v7(69.89,71.3) ; v1(67.49,55.7) v7(67.49,55.3) ; v7(91.95,51.76) v7(92.24,52.05) ; v7(91.95,51.76) v1(91.02,50.83) 90.57,50.38 ; v7(91.95,51.76) v7(91.67,52.05) ; v7(91.95,51.76) v1(92.24,51.48) ; v1(69.89,57.3) v1(69.89,57.7) ; v1(75.49,57.7) v1(75.49,56.5) v7(75.49,56.1) ; v4(76.3,60.45) 76.3,60.15 76.35,60.1 ; v4(76.3,60.45) v4(75.9,60.45) ; v7(76.69,56.1) v7(76.69,55.7) ; v1(82.17,81.28) 82.15,81.26 v1(82.15,80.77) v1(82.15,80.39) v1(82.15,80.14) v1(82.15,79.76) v1(82.15,79.38) v1(82.15,78.74) v1(82.15,78.36) v1(82.15,77.72) v1(82.15,76.96) v4(82.15,76.25) v1(82.15,75.11) v1(82.15,74.55) 82.15,73.98 v1(81.43,73.26) ; v1(77.89,57.3) v1(77.49,57.3) v1(76.69,57.3) ; v1(77.89,57.3) v1(78.29,57.3) ; v7(94.78,48.94) v7(94.5,48.65) ; v7(94.78,48.94) v7(95.06,48.65) ; v7(83.75,50.35) v7(83.47,50.07) ; v1(90.26,44.98) v7(89.97,44.69) ; v1(81.89,56.1) v1(81.49,56.1) v7(81.49,56.5) ; v7(89.97,44.69) v7(89.69,44.41) ; v1(91.67,53.18) v1(91.39,52.9) ; v1(91.39,52.9) v7(91.11,53.18) ; v7(85.45,48.65) v7(85.17,48.94) ; v7(76.69,64.5) U1000.AE19 ; v7(76.69,64.5) 77.03,64.5 v4(77.06,64.47) ; v7(76.69,64.5) v7(76.29,64.5) ; U1000.AE19 v7(76.69,65.3) ; v7(69.09,63.3) v7(68.69,63.3) ; v7(69.09,63.3) v1(69.49,63.3) ; v4(74.66,70.9) 74.69,70.94 ; 76.35,60.1 v7(75.89,60.1) ; v7(72.29,65.3) v1(72.29,66.5) ; v7(72.29,65.3) v7(72.69,65.3) ; v1(72.29,66.5) v1(72.69,66.5) ; v1(72.29,66.5) v7(72.29,66.9) ; v1(73.09,66.5) v1(72.69,66.5) ; v7(68.29,68.5) U1000.AR40 U1000.AR41 ; v7(68.29,68.5) v7(68.29,68.1) v7(68.69,68.1) ; 71.49,65.8 v1(71.49,65.7) ; v1(71.09,65.3) v1(71.09,65.7) ; v1(71.09,65.3) v1(71.49,65.3) ; v1(71.09,65.7) 71.09,66.08 71.07,66.1 ; v1(71.09,65.7) v1(71.49,65.7) ; v7(81.49,56.5) 81.49,56.5 v1(82.69,56.5) ; v7(94.5,48.65) v1(94.22,48.94) ; v1(87.71,46.96) v7(87.43,46.67) ; v1(87.71,46.96) 89.1,48.35 ; v7(87.43,46.67) v7(87.15,46.39) ; v7(87.43,46.67) v7(87.15,46.96) ; v7(73.89,58.5) v7(73.89,58.09) ; v7(73.89,58.5) 74.35,58.5 ; v7(73.89,58.5) v7(73.89,58.9) ; v7(73.89,58.09) U1000.G26 ; v7(81.49,69.3) 81.49,68.88 ; v7(81.49,69.3) v1(81.09,69.3) ; v1(76.71,59.39) 76.71,59.68 v7(76.69,59.7) ; v1(92.24,51.48) 90.86,50.1 ; v7(77.49,59.7) v1(77.49,60.1) ; v4(75.9,62.08) 75.89,62.08 v4(75.89,62.5) ; v1(79.38,69.67) 79.49,69.79 v7(79.49,70.1) v7(79.49,70.5) v7(79.49,70.9) v7(79.49,71.3) ; v1(79.1,58.09) 79.11,58.1 v1(79.49,58.1) v1(79.89,58.1) ; v4(75.9,60.45) 75.89,60.45 v7(75.89,60.1) ; 74.68,69.7 v1(74.37,69.39) 74.29,69.47 v1(74.29,69.7) ; 74.68,69.7 v1(74.29,69.7) ; v7(80.69,70.5) v7(80.69,70.9) ; v7(80.69,70.5) v7(81.09,70.5) ; v7(86.86,53.46) v7(87.15,53.18) ; v1(83.09,58.9) v7(82.76,58.9) ; v7(82.76,58.9) v7(82.29,58.9) 82.25,58.9 ; v1(71.49,65.7) v1(71.49,65.3) ; v1(69.49,58.47) v1(69.49,58.1) ; 71.07,66.1 v7(70.69,66.1) ; v7(87.43,54.59) v7(87.15,54.31) ; v7(87.43,54.59) v7(87.71,54.31) ; v1(92.24,46.39) v1(92.52,46.11) ; v7(93.37,51.48) v7(93.08,51.2) ; v7(93.08,51.2) v7(93.37,50.92) ; 74.35,58.5 U1000.J24 ; v7(87.15,46.96) v7(86.86,47.24) ; v7(87.15,54.31) v7(87.43,54.03) ; v5(41.94,61.34) 41.91,61.32 v5(41.91,60.58) 41.8,60.47 v1(41.24,60.47) v1(40.84,60.07) 40.44,60.47 v1(40.44,60.47) ; v7(76.69,65.3) v1(76.69,65.7) ; v1(93.08,47.24) v1(92.8,46.96) ; v1(93.08,47.24) v1(93.37,46.96) ; v1(93.08,47.24) v1(93.37,47.52) ; v1(92.8,46.96) v1(93.08,46.67) ; v4(76.26,64.05) 76.26,64.46 v7(76.29,64.5) ; v4(76.26,64.05) v4(75.85,64.05) ; v1(71.89,68.1) v1(71.89,68.5) v1(71.49,68.5) ; v1(71.89,68.1) v1(71.49,68.1) v1(71.09,68.1) ; v1(71.89,68.1) v7(71.89,67.7) v7(71.49,67.7) v1(71.49,68.5) ; 81.49,64.18 v4(81.46,64.15) ; 82.25,58.9 81.49,58.9 ; v7(89.69,54.59) v7(89.97,54.31) ; v7(89.69,54.59) v7(89.41,54.31) ; v7(89.69,54.59) v7(89.41,54.88) ; v7(83.09,57.3) v7(83.49,57.3) v7(83.49,56.9) ; v7(83.09,57.3) v7(83.09,57.7) v7(83.09,58.1) v7(82.69,58.1) v7(82.29,58.1) v1(81.89,58.1) v1(80.29,58.1) v1(79.89,58.1) ; v7(80.69,70.9) v1(80.69,71.3) ; v7(80.69,70.9) v7(81.09,70.9) ; v4(81.06,64.15) v4(81.46,64.15) ; v4(81.06,64.15) 81.09,64.19 ; v1(92.24,45.82) v1(92.52,46.11) ; v1(92.52,46.11) v1(92.8,46.39) ; v1(78.29,56.5) v7(78.69,56.5) ; v1(80.69,63.3) v1(80.29,63.3) ; v1(80.69,63.3) 80.69,63.22 ; v1(93.37,46.96) v1(93.65,47.24) ; v1(93.37,46.96) v1(93.08,46.67) ; v1(93.65,47.24) v1(93.37,47.52) ; v7(83.09,66.1) v7(83.09,65.7) v7(82.69,65.7) ; v7(84.88,49.78) v7(89.41,54.31) ; 61.53,61.99 61.53,61.88 v1(61.47,61.82) ; v1(79.49,64.5) v1(79.49,64.9) ; v1(79.49,64.5) v1(79.09,64.5) ; v7(73.89,58.9) v1(74.29,58.9) ; v5(59.05,87.12) 59.18,87 v1(59.85,87) v1(60.25,87) v1(60.65,87.39) v1(61.05,87) v5(61.72,87) ; v1(76.69,65.7) v1(77.09,65.7) ; 78.69,86.41 v7(78.69,80.14) ; v4(76.29,62.9) v7(75.49,62.9) ; v1(81.09,69.3) v1(81.09,68.5) ; v1(71.09,59.3) v1(71.09,59.7) ; v1(80.29,64.9) v1(80.29,64.5) ; v7(75.89,59.7) v7(75.89,60.1) ; v1(74.29,68.5) v1(74.29,68.9) ; v7(95.06,52.05) v1(95.3,52.28) ; v1(75.09,65.7) v1(75.49,65.7) ; v7(87.15,53.18) 90.07,50.25 ; v1(77.89,65.7) v1(77.49,65.7) ; v1(77.49,65.7) v1(77.49,66.1) ; v1(77.49,65.7) v1(77.09,65.7) ; v7(71.09,68.5) v1(71.49,68.5) ; v7(71.09,68.5) v1(71.09,68.1) ; v7(69.09,60.1) v7(68.69,60.1) v7(68.29,60.1) ; v1(79.89,68.5) v1(79.89,68.1) 79.89,67.96 80.04,67.82 v4(80.04,67.74) ; v1(79.89,68.5) v1(80.29,68.5) ; 81.49,58.9 v1(81.49,58.9) ; v1(81.09,60.5) v1(81.49,60.5) ; v5(41.91,47.5) 41.8,47.39 v1(41.24,47.39) v1(40.84,46.99) U2300.B2 ; v1(80.29,64.5) 80.29,64.24 80.37,64.16 ; v1(79.89,58.1) 79.88,58.09 v1(79.88,57.7) ; v1(92.8,46.39) v1(93.08,46.67) ; v4(59.51,58.47) 59.6,58.38 ; v7(68.69,68.1) v7(69.09,68.1) ; v7(64.26,72.39) v7(65.53,71.12) v7(66.37,70.28) ; U3700.A15 v4(93.66,54.04) ; v7(75.09,62.9) v7(75.49,62.9) ; 89.09,49.47 89.09,49.54 ; v1(60.25,87.4) U2302.B2 v1(60.65,87) U2302.B4 v1(61.05,87.4) 61.61,87.4 v5(61.72,87.5) 61.72,88.24 v5(61.75,88.27) ; v7(68.69,58.9) v7(68.69,58.5) ; v7(87.99,46.11) v7(87.71,45.82) ; v7(84.6,46.67) v4(84.3,46.38) ; v7(81.09,70.5) v7(81.09,70.9) ; v1(70.14,67.07) 70.14,67.14 v1(70.29,67.3) ; v7(97.78,52.11) 97.54,51.86 v7(97.54,51.82) 97.54,51.56 v7(97.41,51.44) ; v7(87.43,54.03) v7(87.71,54.31) ; v7(85.45,45.82) v4(85.15,45.53) ; v7(81.09,70.9) v7(81.49,70.9) ; v7(75.49,69.3) v1(75.09,69.3) ; v1(80.29,68.5) v1(80.69,68.5) ; v7(91.67,55.44) v1(91.93,55.7) ; v1(80.69,68.5) v1(81.09,68.5) ; U1000.D4 v7(83.09,56.5) ; 74.69,70.94 v1(74.69,71.3) ; v7(94.22,52.9) 94.5,53.18 v4(94.5,53.23) ; 89.09,49.54 89.22,49.4 ; v7(89.97,57.14) v4(90.27,57.43) ; v7(82.05,49.22) v4(81.76,48.92) ; v7(95.18,54.67) v7(95.39,54.45) 95.17,54.23 v7(95.12,54.23) 94.87,54.23 v7(94.74,54.36) 94.74,54.48 v7(94.87,54.61) 94.97,54.71 v7(94.97,54.87) v7(95.18,54.67)